# Altium PCB Stabilizer_Pounder.PcbDoc (part 3 of 7)
Units mm, origin at the board's own origin, x right, y up, seen from the top; angles counter-clockwise.
Board outline 113.55 x 100 mm, 4 copper layers (Top, P2, L3, Bottom Layer), stack 1.579 mm thick; 591 components, 344 nets, 1737 pads, 984 vias.
Unrouted connection lines stored in the file: 2.
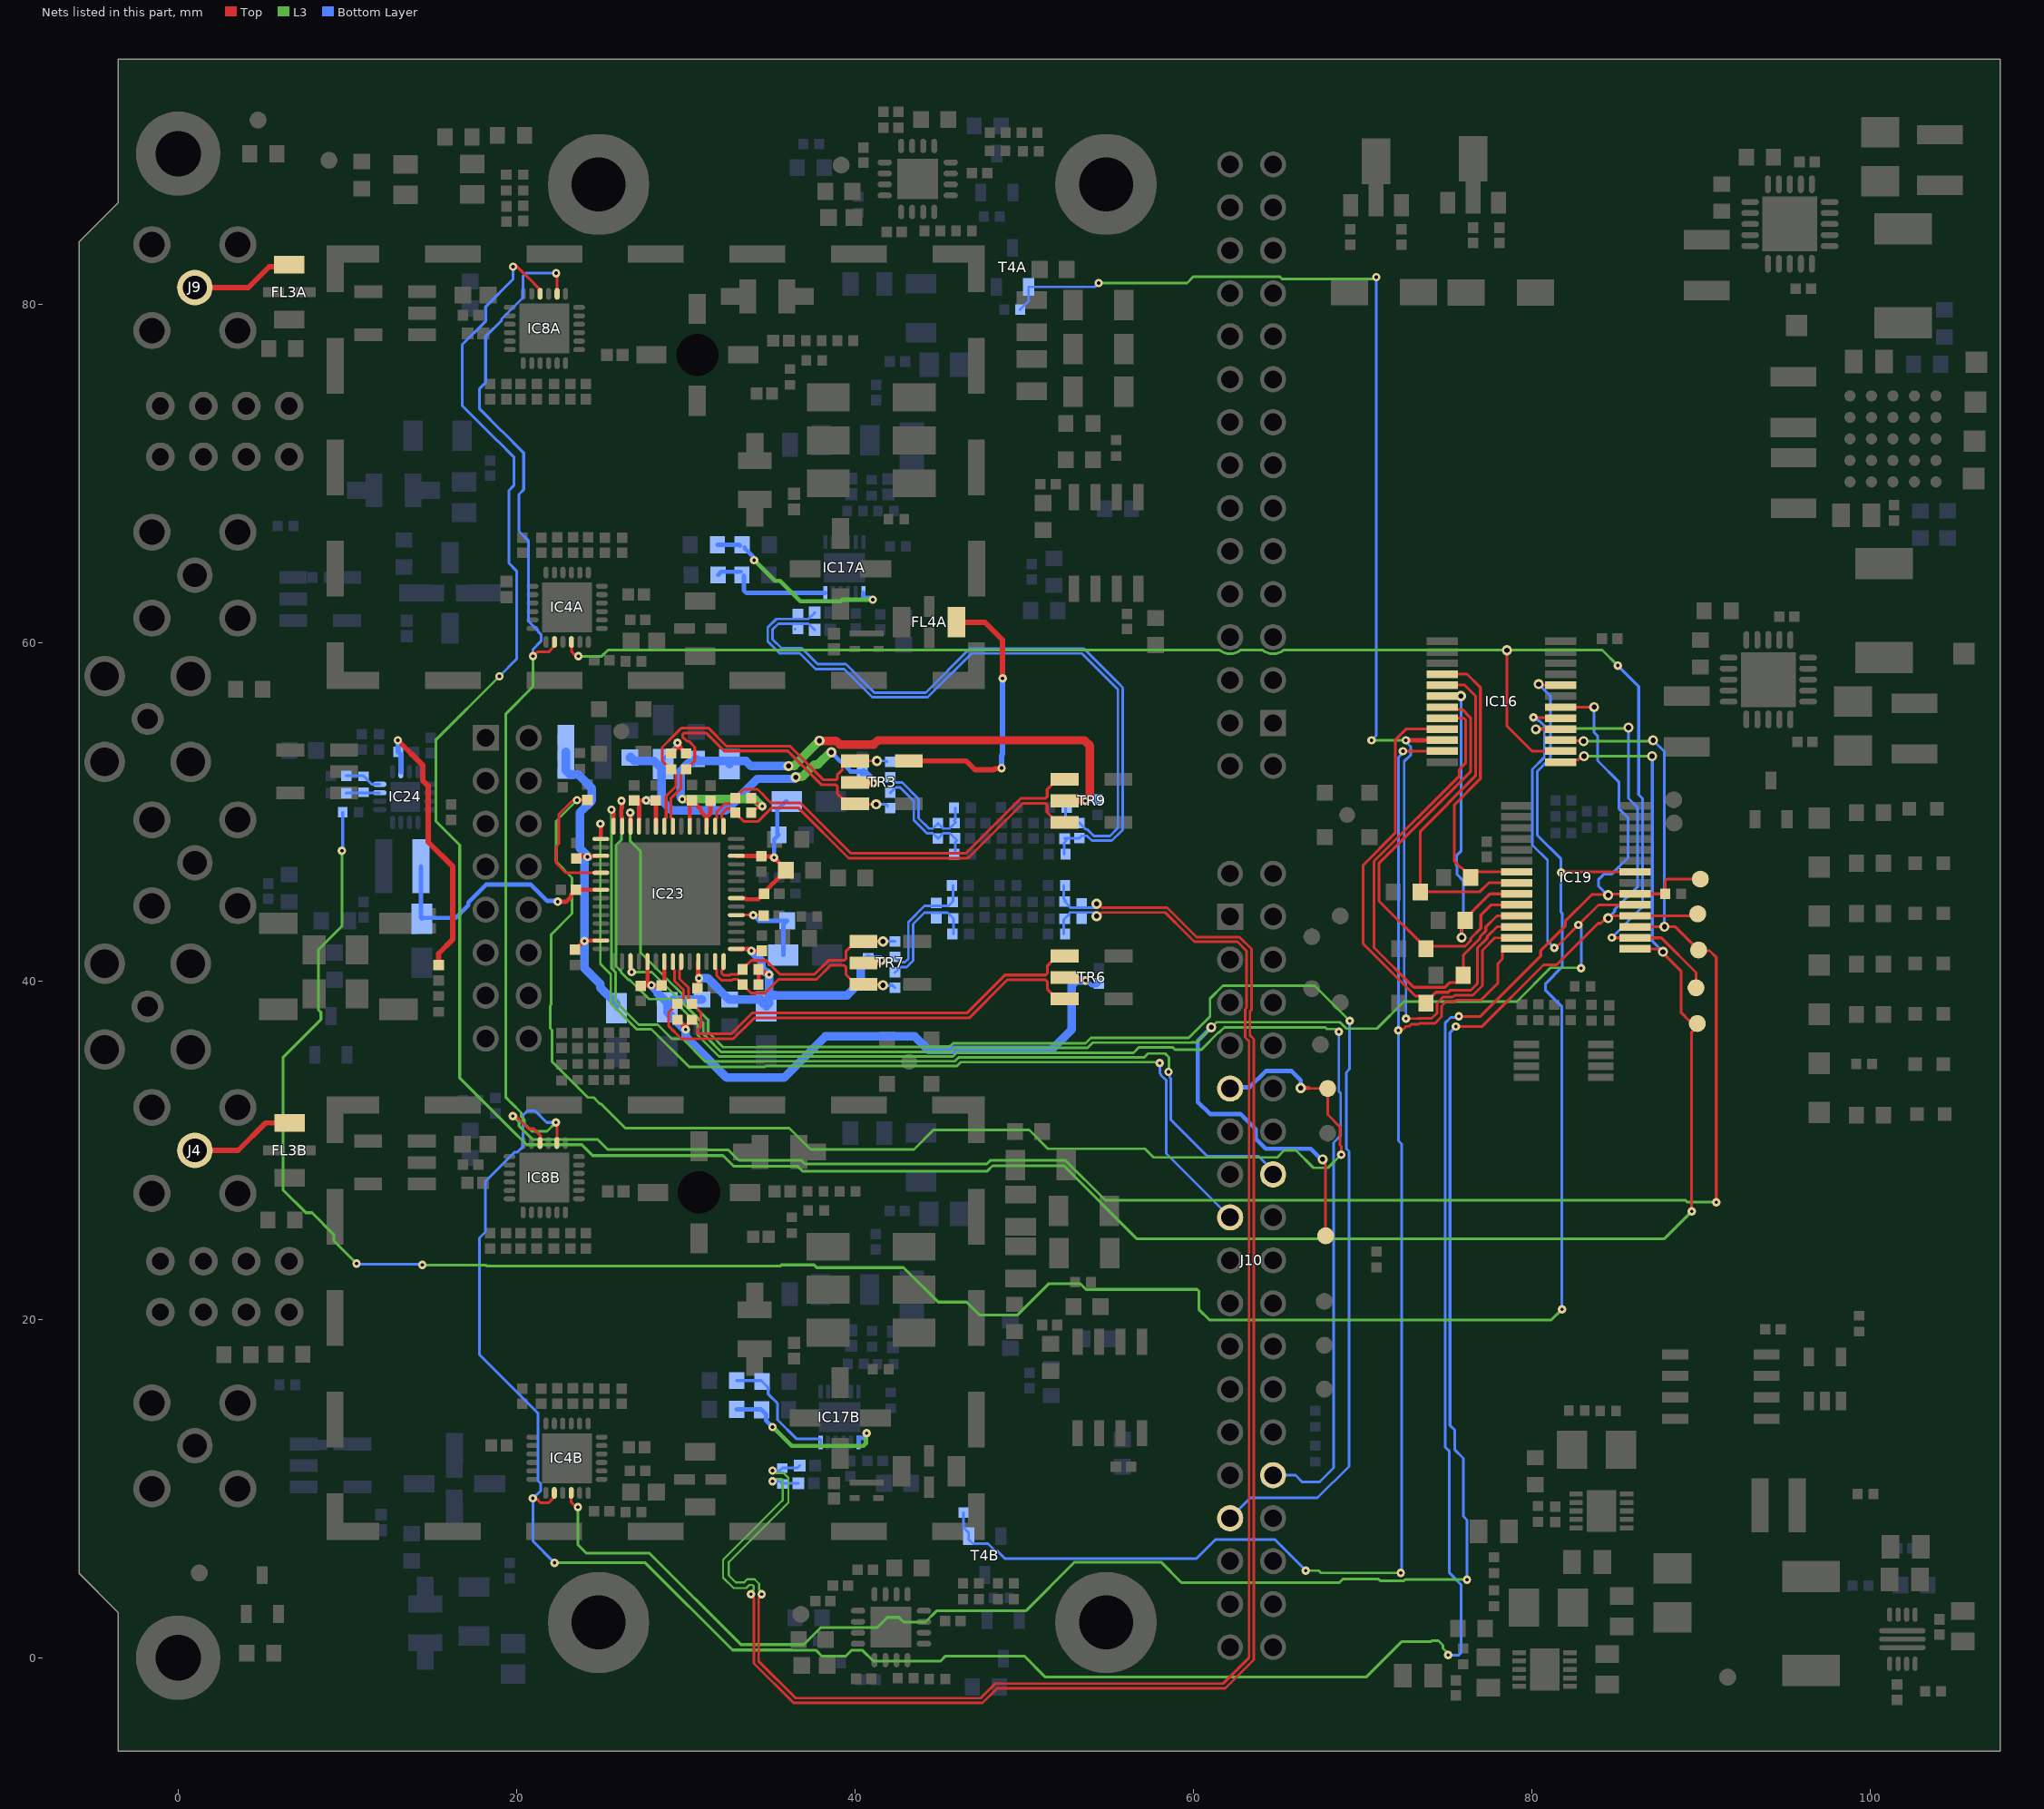
[diagram p5: the nets of this part, all layers, seen from the top]

## Via types
v1: diameter 0.5, hole 0.2, Top to Bottom Layer, tented both sides, 847 vias
v2: diameter 0.6, hole 0.3, Top to Bottom Layer, tented both sides, 113 vias
v3: diameter 1, hole 0.5, Top to Bottom Layer, tented both sides, 24 vias

## Nets (pads, with @x,y where several pads share a name; then routed paths per layer and width w, separated by ;. In a path a pad name is that pad's centre, name@x,y a point inside that pad or via, vN(x,y) a via of type N, cw(c..) or ccw(c..) an arc to the next point about the centre after c; other vN are vias at no path point) (continued)
ATT_LE1: B8.1 IC4A.22 IC16.14 IC19.2 | length 95.8
  Top w0.166: IC4A.22@23.239,60.038 23.239,59.483 23.459,59.263 23.585,59.263 v1(23.649,59.199) ; v2(78.537,59.552) 78.537,55.071 80.019,53.589 IC16.14@81.84,53.589 ; v1(84.734,42.57) 84.752,42.553 IC19.2@86.117,42.553 87.657,42.553 89.713,40.497 B8.1@89.713,39.598
  L3 w0.166: v1(23.649,59.199) 23.65,59.198 25.038,59.198 25.408,59.568 61.548,59.568 ccw(c62.174,60.328) 62.8,59.568 64.088,59.568 ccw(c64.714,60.328) 65.34,59.568 84.17,59.568 v1(85.09,58.648)
  Bottom Layer w0.166: v1(84.734,42.57) 86.554,44.39 86.554,50.787 86.325,51.016 86.325,57.413 v1(85.09,58.648)
ATT_LE3: B5.1 IC4B.22 IC16.16 IC19.4 | length 130.9
  Top w0.166: IC4B.22@23.229,9.743 23.229,9.188 23.45,8.967 23.56,8.967 v1(23.624,8.903) ; v1(75.522,37.308) 75.535,37.322 77.075,37.322 80.711,40.958 81.467,40.958 83.921,43.411 84.084,43.411 v2@84.454,43.78 ; v2(80.245,54.878) 80.251,54.884 81.834,54.884 IC16.16@81.84,54.889 ; v2(84.518,43.716) v2@84.454,43.78 ; B5.1@89.814,43.967 89.7,43.853 IC19.4@86.117,43.853 84.518,43.853 84.518,43.845 v2@84.454,43.78
  L3 w0.166: v1(23.624,8.903) 23.624,6.678 24.13,6.172 27.864,6.172 33.255,0.781 36.976,0.781 37.977,1.782 41.305,1.782 41.91,2.387 42.593,2.387 42.875,2.106 44.165,2.106 44.826,2.766 50.093,2.766 52.981,5.654 58.091,5.654 59.302,4.444 68.628,4.444 68.842,4.658 70.94,4.658 71.044,4.554 72.453,4.554 72.519,4.62 v1(76.18,4.62) ; v2(80.245,54.878) 80.296,54.929 85.668,54.929 v2(85.719,54.979)
  Bottom Layer w0.166: 75.459,12.689 75.459,12.287 75.959,11.787 75.959,8.359 76.18,8.138 v1(76.18,4.62) ; 75.459,12.689 75.459,13.447 75.171,13.735 75.171,36.955 v1(75.522,37.308) v1(75.522,37.308) ; v2(84.518,43.716) 84.518,43.724 84.902,44.107 84.902,44.225 86.262,45.584 86.262,50.252 85.719,50.795 v2(85.719,54.979)
ATT_LEA: B10.1 IC8A.22 IC16.13 IC19.1 | length 168.5
  Top w0.166: v1@19.788,82.224 v1(19.794,82.218) ; v1@19.916,82.34 20.693,81.563 20.698,81.563 21.279,80.982 21.279,80.974 21.393,80.859 IC8A.22@21.393,80.622 ; IC16.13@81.84,52.939 81.982,53.081 82.766,53.081 82.973,53.289 v2(83.091,53.289) ; IC19.1@86.117,41.903 87.501,41.903 ; v2@87.714,41.689 88.837,40.566 88.837,38.125 89.313,37.65 89.629,37.65 B10.1@89.789,37.49 89.789,37.306 89.459,36.976 v1(89.459,26.39)
  L3 w0.166: v1(18.982,58.013) 15.24,54.271 15.24,49.431 16.64,48.031 16.64,34.259 20.04,30.859 20.059,30.859 20.591,30.327 23.851,30.327 24.493,29.685 32.206,29.685 32.849,29.042 36.618,29.042 36.896,28.764 47.815,28.764 48.133,29.082 52.346,29.082 56.676,24.752 87.821,24.752 v1(89.459,26.39) ; v2(83.091,53.289) v2(87.114,53.29)
  Bottom Layer w0.166: v1(18.982,58.013) 19.998,59.03 19.998,64.238 19.554,64.683 19.554,69.006 19.836,69.288 19.836,70.979 18.886,71.93 18.865,71.93 16.789,74.005 16.789,77.619 18.168,78.998 18.168,79.85 19.794,81.476 v1(19.794,82.218) ; v2(87.114,53.29) 87.126,53.278 87.126,42.363 v2(87.757,41.732)
ATT_LEB: B6.1 IC8B.22 IC16.15 IC19.3 | length 112.7
  Top w0.166: v1@19.778,32.026 v1(19.784,32.019) ; v1@19.977,32.07 19.977,31.988 20.7,31.265 21.008,31.265 21.412,30.861 21.412,30.689 21.383,30.66 IC8B.22@21.383,30.424 ; IC16.15@81.84,54.239 81.87,54.209 83.037,54.209 v2(83.068,54.178) ; IC19.3@86.117,43.203 88.496,43.203 B6.1@89.865,41.834 89.907,41.792 90.517,41.792 90.91,41.398 90.91,26.927 v1(90.907,26.924)
  L3 w0.166: v1(19.784,32.019) 20.152,31.651 20.152,31.417 20.924,30.645 24.777,30.645 25.377,30.045 31.262,30.045 31.288,30.02 32.515,30.02 33.134,29.4 36.837,29.4 37.047,29.19 47.791,29.19 48.001,29.4 52.441,29.4 54.803,27.038 89.09,27.038 89.205,26.924 v1(90.907,26.924) ; v2(83.068,54.178) 86.277,54.178 86.284,54.17 87.114,54.17 v2(87.173,54.229)
  Bottom Layer w0.166: v2(87.173,54.229) 87.845,53.557 v2(87.845,43.209)
ATT_RSTn: B7.1 IC4A.20 IC4B.20 IC8A.20 IC8B.20 IC16.18 IC19.6 R40.2 | length 227.2
  Top w0.166: v1(20.959,9.431) 21.147,9.431 21.421,9.158 21.889,9.158 22.162,9.431 22.162,9.439 22.229,9.507 IC4B.20@22.229,9.743 ; v1(20.969,59.199) 21.223,59.453 21.899,59.453 22.124,59.678 22.124,59.687 22.239,59.802 IC4A.20@22.239,60.038 ; v1(22.324,31.642) 22.383,31.582 IC8B.20@22.383,30.424 ; v1(22.334,81.84) 22.393,81.781 IC8A.20@22.393,80.622 ; v1(75.694,37.911) 76.967,37.911 80.531,41.475 80.531,41.797 81.985,43.251 81.985,43.54 83.559,45.114 84.484,45.114 v2(84.521,45.078) ; IC16.18@81.84,56.189 v2(83.687,56.189) ; v2@84.518,45.13 86.094,45.13 IC19.6@86.117,45.153 R40.2@87.897,45.153 87.897,45.928 87.994,46.025 B7.1@89.967,46.025
  L3 w0.166: 19.66,32.817 19.367,33.109 19.367,55.803 20.969,57.406 v1(20.969,59.199) ; 19.666,32.823 20.269,32.22 20.269,31.984 20.47,31.783 20.47,31.549 20.904,31.115 21.797,31.115 v1(22.324,31.642) ; v1(22.25,5.613) 27.61,5.613 32.763,0.46 36.269,0.46 36.294,0.434 37.709,0.434 38.044,0.099 39.458,0.099 39.794,0.434 40.455,0.434 41.082,-0.193 42.765,-0.193 42.778,-0.206 45.047,-0.206 45.355,0.102 50.01,0.102 51.259,-1.147 70.214,-1.147 72.309,0.948 74.026,0.948 74.087,1.009 74.484,1.009 74.753,0.74 74.753,0.593 ; 74.754,0.592 74.754,0.553 75.057,0.249 v1(75.057,0.159)
  Bottom Layer w0.166: 20.371,32.055 20.651,32.334 21.085,32.334 21.777,31.642 v1(22.324,31.642) ; 20.371,32.023 20.371,30.2 20.059,29.889 19.898,29.889 18.158,28.149 18.158,25.169 17.804,24.815 17.804,17.917 21.266,14.455 21.266,10.455 21.433,10.288 21.433,9.886 20.978,9.431 v1(20.959,9.431) 20.959,6.904 v1(22.25,5.613) ; v1(20.969,59.199) 20.969,59.611 21.443,60.085 21.443,60.487 21.276,60.654 21.276,60.698 20.693,61.281 20.693,66.033 20.139,66.587 20.139,68.763 20.421,69.046 20.421,71.221 19.128,72.515 19.107,72.515 17.814,73.808 17.814,75.014 18.168,75.368 18.168,78.098 19.119,79.049 19.119,79.137 20.381,80.399 20.381,81.675 20.546,81.84 v1(22.334,81.84) ; v1(75.057,0.159) 75.691,0.159 75.821,0.288 75.821,4.329 75.136,5.014 75.136,12.196 74.878,12.454 74.878,37.515 75.211,37.847 75.63,37.847 v1(75.694,37.911) ; v2(83.687,56.189) 83.687,54.693 83.893,54.487 83.893,53.021 85.147,51.767 85.147,50.199 85.69,49.656 85.69,47.289 84.713,46.313 84.258,46.313 83.96,46.014 83.96,45.592 84.474,45.078 v2(84.521,45.078)
AVDD0: C22.1 C45.2 C46.2 C59.2 IC23.31 IC23.33 L1.1 R24.2 R25.2 TR9.2 | length 44.3
  Top w0.166: R25.2@33.869,49.958 33.869,49.978 34.077,50.185 34.183,50.185 34.258,50.26 34.365,50.26 v1@34.429,50.324 ; R24.2@33.869,50.814 33.869,50.794 34.077,50.587 34.097,50.587 34.19,50.494 34.259,50.494 v1@34.429,50.324 ; v1@34.474,50.369 v1@34.429,50.324 ; v1(34.519,50.324) v1@34.429,50.324
  Top w0.254: v1(29.794,50.749) 29.83,50.713 30.324,50.713 C46.2@30.359,50.678 ; IC23.33@30.234,49.148 30.234,50.553 C46.2@30.359,50.678 ; 31.147,49.76 30.901,50.005 30.901,50.136 C46.2@30.359,50.678 ; IC23.31@31.234,49.148 31.234,49.673 31.459,49.898 C45.2@31.459,50.648
  Top w0.508: v2(37.897,54.203) 37.902,54.199 38.326,54.199 38.89,54.199 39.106,53.983 41.113,53.983 41.359,54.229 53.561,54.229 53.889,53.901 53.889,50.918 v1(53.619,50.648) ; TR9.2@52.394,50.648 52.444,50.698 v1@53.569,50.698
  L3 w0.508: v1(29.794,50.749) 34.094,50.749 v1(34.519,50.324) ; v2@36.093,52.73 36.101,52.722 36.416,52.722 v2(37.897,54.203)
  Bottom Layer w0.254: v1(53.619,50.648) 53.659,50.688 54.31,50.688 C59.2@54.349,50.727
  Bottom Layer w0.508: v1(29.794,50.749) 29.708,50.836 29.708,52.42 30.195,52.907 30.398,52.907 L1.1@30.619,53.128 30.743,53.004 C22.1@32.584,53.004 ; C22.1@32.584,52.828 C22.1@32.584,53.004 ; v2(36.068,52.705) 33.856,52.705 33.556,53.004 C22.1@32.584,53.004
AVDD1: C24.1 C47.2 C61.2 C112.2 IC23.37 IC23.39 L25.1 R26.2 R28.2 TR3.2 | length 28.8
  Top w0.254: C47.2@26.95,50.666 27.067,50.549 27.243,50.549 27.243,49.528 27.234,49.519 IC23.39@27.234,49.148 ; C47.2@27.243,50.672 v1(27.661,50.673) ; v1(27.661,50.673) v1(27.661,50.673) ; v1@27.678,50.672 v1(27.661,50.673) ; IC23.37@28.234,49.148 IC23.37@28.234,49.148 28.232,50.664 C112.2@28.231,50.666 28.227,50.669 27.664,50.669 v1(27.661,50.673) ; R26.2@29.13,53.455 29.15,53.455 29.465,53.769 29.465,54.036 v1(29.512,54.083) 29.512,54.016 29.694,53.834 29.694,53.75 29.99,53.455 R28.2@30.01,53.455
  Top w0.508: TR3.2@40.004,51.741 40.056,51.689 v1(41.079,51.689)
  L3 w0.508: v2(36.5,52.044) 36.517,52.062 36.862,52.062 37.603,52.802 37.817,52.802 v2@38.557,53.543
  Bottom Layer w0.254: C24.1@28.304,52.828 C24.1@28.669,52.828 28.669,53.103 29.465,53.899 29.465,54.036 v1(29.512,54.083) ; v2(38.608,53.518) 39.744,52.382 C61.2@40.437,52.382 ; C61.2@40.437,52.356 C61.2@40.457,52.337
  Bottom Layer w0.508: L25.1@26.694,53.208 26.734,53.248 26.966,53.016 28.116,53.016 28.304,52.828 28.577,52.555 28.577,50.678 ; v1(27.661,50.673) 28.572,50.673 28.577,50.678 ; v2(36.5,52.044) 36.405,51.95 34.229,51.95 32.357,50.077 29.177,50.077 28.577,50.678 ; C61.2@40.513,52.324 41.079,51.758 v1(41.079,51.689)
AVDD2: C50.2 C51.2 C55.1 C80.2 IC23.5 IC23.7 L26.1 R31.2 R32.2 TR6.2 | length 43.1
  Top w0.254: C50.2@27.33,39.718 27.347,39.734 v1@27.734,39.734 ; v1@27.734,39.704 27.919,39.704 v1(27.965,39.751) ; v1@27.734,39.808 IC23.5@27.734,41.148 ; v1@27.844,39.75 28.018,39.75 v1@28.074,39.694 ; v1@28.072,39.696 28.079,39.704 28.173,39.704 28.183,39.694 28.526,39.694 28.732,39.901 28.732,41.146 IC23.7@28.734,41.148 ; R31.2@29.515,37.706 29.535,37.706 29.814,37.426 29.814,37.39 29.995,37.21 v1(29.995,37.143) 30.042,37.19 30.042,37.389 30.358,37.706 R32.2@30.378,37.706 ; TR6.2@52.4,40.208 52.526,40.082 53.578,40.082 v1(53.625,40.035)
  Bottom Layer w0.254: v1(53.625,40.035) 53.692,40.035 53.994,39.733 54.28,39.733 C80.2@54.407,39.86
  Bottom Layer w0.508: v1(27.965,39.751) 28.298,39.419 28.298,39.33 C55.1@28.909,38.718 ; C55.1@28.909,38.474 28.909,38.168 29.934,37.143 v1(29.995,37.143) 29.995,36.723 32.427,34.29 35.813,34.29 38.251,36.728 43.536,36.728 44.345,35.919 51.6,35.919 52.807,37.126 52.807,39.738 53.104,40.035 v1(53.625,40.035) ; C55.1@28.909,38.537 29.28,38.908 L26.1@30.959,38.908
AVDD3: C52.2 C53.2 C68.1 C81.2 IC23.11 IC23.15 L27.1 R10.2 R35.2 TR7.2 | length 22.2
  Top w0.254: v1@30.734,40.124 IC23.11@30.734,41.148 ; C53.2@30.738,39.62 30.738,40.124 v1(30.785,40.171) ; IC23.15@32.984,41.898 33.756,41.898 v1@33.905,41.749 ; v1(33.884,41.783) 33.887,41.786 34.49,41.786 C52.2@34.493,41.79 ; R35.2@34.303,40.691 R35.2@34.303,40.671 ; R10.2@34.366,39.929 34.359,39.929 34.303,39.985 R35.2@34.303,40.671 ; v1(34.925,40.386) 34.858,40.386 34.737,40.508 34.466,40.508 R35.2@34.303,40.671
  Top w0.508: TR7.2@40.498,41.072 40.624,41.198 41.56,41.198 v1(41.573,41.21)
  Bottom Layer w0.508: v1(30.785,40.171) 31.296,40.171 L27.1@32.559,38.908 ; L27.1@32.584,38.908 L27.1@32.559,38.908 ; v1(33.884,41.783) 34.483,41.183 34.483,40.745 34.706,40.522 34.789,40.522 v1(34.925,40.386) 34.925,38.684 C68.1@34.754,38.513 ; C68.1@34.616,38.65 34.457,38.81 34.457,38.908 L27.1@32.559,38.908 ; C68.1@35.125,39.159 39.54,39.159 40.342,39.961 40.342,40.89 C81.2@40.785,41.333 40.841,41.277 41.506,41.277 v1(41.573,41.21)
BG_VDD: C54.2 C106.1 IC23.19 L28.1 | length 5.9
  Top w0.166: IC23.19@32.984,43.898 v1(33.984,43.898) 34.404,43.898 34.478,43.824 34.519,43.866 C54.2@34.602,43.866
  Bottom Layer w0.254: v1(33.984,43.898) 34.324,43.558 L28.1@35.999,43.558 35.764,43.323 C106.1@35.764,41.528
CH0_OUT_N: IC23.29 R25.1 TR9.1 | length 25.2
  Top w0.166: IC23.29@32.234,49.148 32.234,49.546 32.13,49.65 32.13,49.893 32.43,50.192 32.625,50.192 32.632,50.185 32.722,50.185 32.929,49.978 R25.1@32.929,49.958 32.929,49.938 33.429,49.438 34.283,49.438 34.979,50.134 34.979,50.143 35.076,50.24 36.65,50.24 39.633,47.256 46.68,47.256 49.925,50.502 51.262,50.502 51.359,50.405 51.359,49.968 51.949,49.378 TR9.1@52.394,49.378
CH0_OUT_P: IC23.30 R24.1 TR9.3 | length 25.7
  Top w0.166: IC23.30@31.734,49.148 31.734,49.546 31.838,49.65 31.838,50.014 32.309,50.485 32.625,50.485 32.722,50.582 32.722,50.607 R24.1@32.929,50.814 32.929,50.834 33.429,51.334 34.246,51.334 34.641,50.94 34.641,50.927 35.035,50.532 36.771,50.532 39.754,47.549 46.558,47.549 49.804,50.794 51.262,50.794 51.359,50.891 51.359,51.328 51.949,51.918 TR9.3@52.394,51.918
CH1_OUT_N: C142.1 IC23.35 R28.1 TR3.1 | length 20.7
  Top w0.152: TR3.1@40.004,50.471 40.03,50.444 v2(41.25,50.444)
  Top w0.166: IC23.35@29.234,49.148 29.234,49.546 29.13,49.65 29.13,50.815 29.716,51.401 29.716,52.241 29.99,52.515 30.03,52.515 30.53,53.014 30.53,53.832 30.18,54.181 30.064,54.181 29.811,54.434 29.811,54.571 29.908,54.668 31.203,54.668 32.274,53.597 36.025,53.597 38.028,51.594 38.872,51.594 38.969,51.497 38.969,51.06 39.559,50.471 TR3.1@40.004,50.471
  Bottom Layer w0.152: v2(41.25,50.444) 41.854,50.444 41.91,50.388 C142.1@41.91,50.317
CH1_OUT_P: C141.1 IC23.36 R26.1 TR3.3 | length 21.1
  Top w0.152: TR3.3@40.004,53.011 40.005,53.01 v2(41.3,53.01)
  Top w0.166: IC23.36@28.734,49.148 28.734,49.546 28.838,49.65 28.838,50.936 29.424,51.522 29.424,52.241 29.15,52.515 29.11,52.515 28.61,53.014 28.61,53.832 29.322,54.543 29.325,54.543 29.743,54.961 31.324,54.961 32.396,53.889 36.146,53.889 38.149,51.887 38.872,51.887 38.969,51.984 38.969,52.207 39.262,52.5 39.262,52.713 39.559,53.011 TR3.3@40.004,53.011
  Bottom Layer w0.152: v2(41.3,53.01) 41.854,53.01 41.885,52.979 C141.1@41.885,52.933
CH1_OUTC_N: C127A.1 C135A.1 C142.2 L19A.1 | length 7.1
  Bottom Layer w0.152: C142.2@42.088,51.123 42.322,51.357 42.322,51.358 42.411,51.447 42.67,51.447 43.481,50.637 43.481,49.509 44.253,48.737 44.597,48.737 C127A.1@44.907,48.427 45.217,48.737 45.606,48.737 46.031,48.312 45.93,48.211 L19A.1@45.93,47.549
CH1_OUTC_P: C120A.1 C127A.2 C141.2 L16A.1 | length 7.1
  Bottom Layer w0.152: C141.2@42.088,52.052 42.322,51.818 42.322,51.816 42.411,51.727 42.786,51.727 43.76,50.753 43.76,49.625 44.369,49.016 44.597,49.016 C127A.2@44.907,49.327 45.217,49.016 45.587,49.016 C120A.1@45.898,49.327 45.955,49.384 45.853,49.487 45.857,49.487 45.93,49.56 L16A.1@45.93,50.241
CH2_OUT_N: IC23.9 R32.1 TR6.3 | length 28.8
  Top w0.166: IC23.9@29.734,41.148 29.734,40.75 29.63,40.646 29.63,40.131 30.163,39.598 30.163,38.853 30.37,38.646 30.398,38.646 30.898,38.146 30.898,37.329 30.678,37.109 30.678,36.972 30.775,36.875 32.687,36.875 33.919,38.107 46.622,38.107 48.869,40.354 51.268,40.354 51.365,40.451 51.365,40.888 51.955,41.478 TR6.3@52.4,41.478
CH2_OUT_P: IC23.8 R31.1 TR6.1 | length 30.3
  Top w0.166: IC23.8@29.234,41.148 29.234,40.75 29.338,40.646 29.338,40.009 29.87,39.477 29.87,39.035 29.859,39.023 29.859,38.97 29.535,38.646 29.495,38.646 28.995,38.146 28.995,37.329 29.742,36.583 32.808,36.583 34.04,37.814 46.743,37.814 48.99,40.062 51.268,40.062 51.365,39.965 51.365,39.528 51.955,38.938 TR6.1@52.4,38.938
CH3_OUT_N: C144.1 IC23.14 R35.1 TR7.3 | length 12.8
  Top w0.152: TR7.3@40.498,42.342 40.505,42.349 v2@41.707,42.349
  Top w0.166: IC23.14@32.234,41.148 32.234,40.75 32.13,40.646 32.13,40.438 32.227,40.341 32.592,40.341 32.643,40.392 33.085,40.392 33.363,40.671 R35.1@33.363,40.691 33.363,40.711 33.863,41.21 34.751,41.21 35.569,40.392 37.606,40.392 38.432,41.218 39.366,41.218 39.463,41.315 39.463,41.752 40.053,42.342 TR7.3@40.498,42.342
  Bottom Layer w0.152: v2@41.732,42.349 42.353,42.349 C144.1@42.367,42.334
  other v2: 41.656,42.342
CH3_OUT_P: C143.1 IC23.13 R10.1 TR7.1 | length 13.6
  Top w0.152: TR7.1@40.498,39.802 v2@41.396,39.802 ; v2@41.396,39.804 41.653,39.804 v2@41.707,39.751
  Top w0.166: IC23.13@31.734,41.148 31.734,40.75 31.838,40.646 31.838,40.317 32.106,40.049 32.713,40.049 32.764,40.1 33.085,40.1 33.363,39.822 R10.1@33.363,39.802 33.363,39.782 33.863,39.282 34.68,39.282 35.081,39.683 35.081,39.699 35.482,40.1 37.728,40.1 38.553,40.925 39.366,40.925 39.463,40.828 39.463,40.391 40.053,39.802 TR7.1@40.498,39.802
  Bottom Layer w0.152: v2@41.732,39.845 v2@41.758,39.82 ; v2@41.769,39.725 C143.1@42.164,39.725 ; C143.1@42.153,39.82 C143.1@42.367,39.606 C143.1@42.206,39.767
  other v2: 41.656,39.751
CH3_OUTC_N: C127B.1 C135B.1 C144.2 L19B.1 | length 7.3
  Bottom Layer w0.152: C144.2@42.367,41.434 42.601,41.201 42.601,41.199 42.69,41.11 42.95,41.11 43.155,41.314 43.155,43.485 44.115,44.445 44.806,44.445 45.537,44.445 45.803,44.711 L19B.1@45.803,45.644
CH3_OUTC_P: C120B.1 C127B.2 C143.2 L16B.1 | length 7.3
  Bottom Layer w0.152: C143.2@42.367,40.506 42.601,40.739 42.601,40.741 42.69,40.83 43.066,40.83 43.319,41.083 43.434,41.199 43.434,43.369 44.114,44.049 45.48,44.049 45.57,43.96 45.57,43.947 C120B.1@45.803,43.713 45.828,43.688 L16B.1@45.828,42.773
CK_OSC: C103.1 IC24.6 R162.1 | length 16.8
  Top w0.316: v1(12.979,54.229) 14.445,52.763 14.445,51.858 14.771,51.532 14.771,48.221 16.231,46.761 16.231,42.469 15.394,41.632 C103.1@15.394,40.938
  Bottom Layer w0.316: v1(12.979,54.229) 12.992,54.216 12.992,53.683 R162.1@13.005,53.67 ; R162.1@13.004,53.548 13.004,53.528 13.164,53.368 IC24.6@13.164,52.378
CLK_SMA_N: C194.2 IC24.4 R15.1 | length 2.2
  Bottom Layer w0.166: C194.2@9.934,52.128 10.934,52.128 R15.1@10.964,52.098 10.984,52.098 11.191,51.891 11.191,51.871 11.433,51.629 IC24.4@11.914,51.628 IC24.4@11.914,51.628
CLK_SMA_P: C105.2 IC24.3 R15.2 | length 2
  Bottom Layer w0.166: C105.2@9.934,51.098 9.964,51.128 IC24.3@11.914,51.128
CLK_VDD: C6.2 C9.2 C10.2 C108.1 IC23.21 IC23.26 L29.1 | length 10.2
  Top w0.254: IC23.26@32.984,47.398 32.986,47.396 34.451,47.396 C10.2@34.479,47.368 v1@35.152,47.368 ; IC23.21@33.357,44.896 33.478,44.896 33.545,44.829 34.295,44.829 34.81,45.344 34.81,45.423 35.203,45.816 35.215,45.816 35.804,46.406 C6.2@35.89,46.406 ; v1(35.222,47.298) C6.2@35.972,46.548
  Bottom Layer w0.254: v1(35.222,47.298) 35.222,48.377 L29.1@35.493,48.648 35.404,48.737 35.404,50.11 35.902,50.608 C108.1@35.962,50.608
CSn: B20.1 C13.2 IC23.47 J10.9 | length 86.7
  Top w0.152: v1@23.353,50.708 22.506,49.861 22.506,48.109 22.332,47.935 22.332,46.973 22.9,46.405 24.977,46.405 IC23.47@24.984,46.398 ; v1(23.567,50.694) 23.581,50.708 C13.2@24.189,50.708 ; 66.733,33.648 B20.1@67.944,33.648 67.944,32.102 68.673,31.373 68.673,30.298 68.744,30.227 v1(68.744,29.743)
  Top w0.254: v2(66.345,33.68) 66.827,33.68
  L3 w0.152: v1(23.567,50.694) 22.332,49.459 22.332,47.06 23.28,46.113 23.28,43.981 22.04,42.741 22.04,38.589 21.981,38.529 21.981,37.207 22.091,37.096 22.091,35.237 24.21,33.117 24.557,33.117 24.837,32.837 24.837,32.83 24.926,32.74 24.994,32.74 26.428,31.306 36.124,31.306 37.382,30.048 43.485,30.048 44.628,31.191 50.297,31.191 51.403,30.085 57.148,30.085 57.656,29.577 64.961,29.577 65.377,29.992 66.06,29.992 67.096,28.957 67.958,28.957 v1(68.744,29.743)
  Bottom Layer w0.254: J10.9@62.174,33.648 62.245,33.719 63.33,33.719 64.288,34.677 65.805,34.677 66.345,34.137 v2(66.345,33.68)
DDS_FILT_OUTA_N: C130A.1 C133A.1 C137A.2 L30A.2 R92A.1 | length 40.7
  Bottom Layer w0.152: R92A.1@36.454,60.795 R92A.1@36.474,60.795 ; C133A.1@37.615,60.757 37.615,60.762 37.251,61.125 35.471,61.125 35.128,60.782 35.128,60.198 35.662,59.664 36.855,59.664 37.795,58.725 39.472,58.725 41.148,57.048 44.182,57.048 46.773,59.639 53.532,59.639 55.62,57.551 55.826,57.345 55.826,48.93 55.191,48.295 54.006,48.295 53.713,48.588 53.407,48.588 C130A.1@53.264,48.445 52.426,48.445 C137A.2@52.393,48.412 52.502,48.303 52.493,48.303 52.368,48.178 L30A.2@52.368,47.498
DDS_FILT_OUTA_P: C124A.2 C125A.1 C130A.2 L18A.2 R92A.2 | length 40.8
  Bottom Layer w0.152: C125A.1@37.615,61.773 37.615,61.768 37.251,61.404 35.355,61.404 34.849,60.898 34.849,60.082 35.546,59.385 36.74,59.385 37.679,58.445 39.356,58.445 41.032,56.769 44.298,56.769 46.888,59.36 53.416,59.36 55.547,57.229 55.547,49.046 55.075,48.574 54.122,48.574 53.738,48.958 53.651,48.958 C130A.2@53.264,49.345 C124A.2@52.411,49.345 ; C124A.2@52.393,49.327 C124A.2@52.411,49.345 ; L18A.2@52.444,50.266 52.444,49.378 C124A.2@52.411,49.345
DDS_FILT_OUTB_N: C130B.1 C133B.1 C137B.2 L30B.2 R92B.1 | length 103.7
  Top w0.152: v1(33.857,3.759) 33.857,3.671 34.03,3.497 34.03,-0.325 36.373,-2.667 47.549,-2.667 48.412,-1.804 61.884,-1.804 63.576,-0.111 63.576,36.564 63.35,36.791 63.35,38.21 63.432,38.292 63.432,41.891 62.727,42.596 60.187,42.596 58.447,44.335 54.593,44.335 54.369,44.559 v2(54.28,44.559)
  L3 w0.127: v1(33.857,3.759) 33.857,3.86 34.005,4.008 34.005,4.234 33.931,4.308 33.764,4.308 33.571,4.115 32.832,4.115 32.207,4.74 32.207,5.791 35.654,9.238 35.659,9.238 35.733,9.312 35.733,10.505 35.659,10.579 35.374,10.579 35.226,10.43 v1(35.125,10.43)
  Bottom Layer w0.152: v1(35.125,10.43) 35.556,10.43 R92B.1@35.712,10.274 35.751,10.313 C133B.1@36.652,10.313 ; L30B.2@52.343,45.644 52.343,44.87 52.451,44.762 C137B.2@52.393,44.704 52.627,44.47 52.627,44.425 52.716,44.335 53.391,44.335 54.28,44.335 v2(54.28,44.559)
DDS_FILT_OUTB_P: C124B.2 C125B.1 C130B.2 L18B.2 R92B.2 | length 102.9
  Top w0.152: v1(34.484,3.759) 34.484,3.671 34.31,3.497 34.31,-0.209 36.489,-2.388 47.433,-2.388 48.297,-1.524 61.768,-1.524 63.297,0.004 63.297,36.449 63.071,36.675 63.071,38.326 63.152,38.408 63.152,41.775 62.611,42.316 60.071,42.316 59.829,42.558 59.639,42.748 58.331,44.056 54.593,44.056 54.369,43.832 v2(54.28,43.832)
  L3 w0.127: v1(34.484,3.759) 34.484,3.86 34.335,4.008 34.335,4.37 34.067,4.638 33.628,4.638 33.434,4.445 32.969,4.445 32.537,4.877 32.537,5.654 35.791,8.908 35.795,8.908 36.063,9.176 36.063,10.641 35.795,10.909 35.374,10.909 35.226,11.057 v1(35.125,11.057)
  Bottom Layer w0.152: v1(35.125,11.057) 35.556,11.057 R92B.2@35.712,11.214 36.586,11.214 C125B.1@36.73,11.358 ; L18B.2@52.343,42.773 52.343,43.637 52.627,43.922 52.627,43.967 52.716,44.056 54.28,44.056 v2(54.28,43.832)
DDS_OUT1: FL4A.1 TR3.4 | length 16.5
  Top w0.316: TR3.4@43.184,53.011 46.575,53.011 47.108,52.478 48.191,52.478 48.266,52.553 48.634,52.553 v1(48.669,52.588) ; FL4A.1@46.009,61.209 47.676,61.209 48.727,60.159 v1(48.727,57.895)
  Bottom Layer w0.316: v1(48.669,52.588) 48.669,53.338 48.727,53.396 v1(48.727,57.895)
DDS_P0: IC23.40 J10.29 | length 91.8
  Top w0.254: v1(26.714,49.958) 26.734,49.938 IC23.40@26.734,49.148
  L3 w0.152: v1(26.714,49.958) 26.714,48.291 27.33,47.675 27.33,41.681 31.314,37.698 31.314,36.984 31.932,36.366 31.932,36.363 32.201,36.093 34.255,36.093 34.258,36.096 45.564,36.096 45.79,36.322 53.628,36.322 53.944,36.638 59.726,36.638 60.986,37.898 60.986,38.959 61.758,39.732 67.161,39.732 69.24,37.652 v1(69.24,37.643)
  Bottom Layer w0.152: J10.29@62.174,8.248 63.375,9.449 67.335,9.449 69.197,11.311 69.197,29.931 69.041,30.087 69.041,34.603 69.24,34.802 v1(69.24,37.643)
DDS_P1: IC23.41 J10.28 | length 87.8
  Top w0.254: v1(26.194,50.648) 26.233,50.61 26.233,50.225 26.185,50.177 26.185,49.739 26.232,49.691 26.232,49.15 IC23.41@26.234,49.148
  L3 w0.152: v1(26.194,50.648) 26.194,48.343 25.883,48.031 25.883,40.875 26.187,40.57 26.187,40.496 26.491,40.191 26.609,40.074 26.683,40.074 27.828,38.929 29.199,38.929 30.699,37.429 30.699,36.809 31.373,36.135 31.373,36.131 31.97,35.534 34.486,35.534 34.49,35.538 45.796,35.538 46.021,35.763 56.464,35.763 56.78,36.079 58.786,36.079 58.913,35.951 60.478,35.951 61.483,36.957 61.523,36.957 61.828,37.262 67.802,37.262 67.899,37.164 68.419,37.164 68.581,37.002 v1(68.599,37.002)
  Bottom Layer w0.152: J10.28@64.714,10.788 66.041,10.788 66.429,10.4 67.464,10.4 68.291,11.227 68.291,30.441 68.711,30.861 68.711,33.363 68.599,33.474 v1(68.599,37.002)
DDS_P2: IC23.42 J10.14 | length 57.9
  Top w0.254: v1(25.609,50.123) 25.609,50.056 25.732,49.933 25.732,49.15 IC23.42@25.734,49.148
  L3 w0.152: v1(25.609,50.123) 25.603,50.117 25.603,40.759 25.851,40.511 25.851,38.786 27.215,37.422 28.338,37.422 29.183,36.578 29.823,36.578 31.146,35.255 34.602,35.255 34.605,35.258 45.911,35.258 46.137,35.484 57.099,35.484 57.328,35.712 58.335,35.712 58.556,35.491 58.556,34.652 v1(58.537,34.633)
  Bottom Layer w0.152: v1(58.537,34.633) 58.604,34.567 58.604,34.321 58.674,34.251 58.674,31.797 60.829,29.642 63.856,29.642 J10.14@64.668,28.829
DDS_P3: IC23.43 J10.15 | length 56.8
  Top w0.254: v1(24.959,49.298) 24.984,49.273 IC23.43@24.984,48.398
  L3 w0.152: v1(24.959,49.298) 24.951,49.29 24.951,41.016 25.572,40.395 25.572,38.67 27.099,37.143 27.977,37.143 30.203,34.917 34.659,34.917 34.721,34.979 46.027,34.979 46.252,35.204 57.967,35.204 v1(58.016,35.155)
  Bottom Layer w0.152: v1(58.016,35.155) 58.016,34.553 58.084,34.484 58.084,34.446 58.395,34.135 58.395,29.807 J10.15@62.174,26.028
DDS_Reset: B25.1 IC16.17 IC19.5 IC23.3 | length 104.2
  Top w0.152: v2(67.644,29.46) 67.644,29.339 67.819,29.164 B25.1@67.819,24.938 ; v1(80.107,55.582) 80.129,55.561 81.693,55.561 IC16.17@81.715,55.539 ; v1(81.34,41.956) 81.401,41.956 v1(82.759,43.313) 83.949,44.503 IC19.5@86.117,44.503
  L3 w0.152: v1(26.796,40.527) 27.996,40.527 31.034,37.489 31.034,36.868 31.652,36.25 31.652,36.247 32.086,35.814 34.371,35.814 34.374,35.817 45.68,35.817 45.905,36.042 53.744,36.042 54.06,36.359 59.857,36.359 59.867,36.369 60.184,36.369 61.384,37.569 68.673,37.569 69.053,37.189 70.853,37.189 72.458,38.794 79.129,38.794 81.116,40.781 82.893,40.781 v1(82.924,40.749)
  Bottom Layer w0.152: v1(80.107,55.582) 80.201,55.582 80.403,55.381 80.454,55.381 80.749,55.086 80.749,53.223 80.044,52.518 80.044,48.044 80.931,47.157 80.931,42.365 v1(81.34,41.956) ; v1(82.759,43.313) 82.924,43.147 v1(82.924,40.749)
  Bottom Layer w0.254: v2(61.062,37.262) 60.269,36.469 60.269,32.86 60.992,32.137 62.783,32.137 63.685,31.235 63.685,30.682 64.288,30.079 66.932,30.079 67.551,29.46 v2(67.644,29.46)
DET_PWRDOWN0: IC16.10 IC19.27 R94A.2 T4A.1 | length 81
  Top w0.152: v1(72.571,37.777) 73.27,37.777 73.278,37.786 74.08,37.786 74.397,38.104 74.397,38.675 74.772,39.05 75.34,39.05 75.445,39.155 76.516,39.155 77.08,39.72 77.08,41.813 77.82,42.553 IC19.27@79.117,42.553
  Top w0.254: v1(72.561,54.229) 74.704,54.229 IC16.10@74.715,54.239
  L3 w0.152: v1(54.407,81.254) 59.624,81.254 59.996,81.626 65.119,81.626 65.244,81.502 70.714,81.502 v1(70.815,81.603) ; v1(70.536,54.229) v1(72.561,54.229)
  Bottom Layer w0.152: R94A.2@49.771,79.68 49.771,79.7 50.262,80.19 T4A.1@50.262,81.026 54.178,81.026 v1(54.407,81.254) ; v1(70.536,54.229) 70.815,54.508 v1(70.815,81.603) ; v1(72.561,54.229) 72.561,54.135 72.844,53.852 72.844,53.357 72.466,52.979 72.466,40.014 72.571,39.909 v1(72.571,37.777)
DET_PWRDOWN1: IC16.11 IC19.28 R94B.2 T4B.1 | length 90.4
  Top w0.152: v1(72.118,37.084) 72.185,37.15 72.414,37.15 72.588,37.324 72.759,37.324 72.876,37.441 73.328,37.441 73.394,37.507 74.283,37.507 74.677,37.9 74.677,38.524 74.923,38.77 75.455,38.77 75.561,38.876 76.999,38.876 77.997,39.874 77.997,41.026 78.268,41.297 78.268,41.754 78.417,41.903 IC19.28@79.117,41.903 ; v1(72.39,53.589) IC16.11@74.715,53.589
  L3 w0.152: v1(66.646,5.154) 67.405,5.154 67.544,5.014 v1(72.263,5.014)
  Bottom Layer w0.152: R94B.2@46.418,8.585 46.418,7.702 46.726,7.395 T4B.1@46.726,7.195 46.726,6.995 46.975,6.746 47.854,6.746 48.277,6.323 48.415,6.323 48.872,5.866 60.187,5.866 61.309,6.988 64.817,6.988 66.439,5.366 66.439,5.36 v1(66.646,5.154) ; v1(72.118,37.084) 72.118,30.548 72.307,30.359 72.307,5.058 v1(72.263,5.014) ; v1@72.118,37.102 72.118,53.223 72.39,53.495 v1(72.39,53.589)
DVDD: C57.2 C58.2 C107.1 IC23.45 IC23.55 L7.2 | length 20.4
  Top w0.254: C57.2@23.458,41.848 23.973,42.363 v1(24.008,42.363) ; C58.2@23.534,47.252 23.68,47.398 IC23.45@24.984,47.398 ; v1@24.008,42.398 IC23.55@24.984,42.398
  Bottom Layer w0.254: C107.1@25.899,38.388 C107.1@25.899,38.663
  Bottom Layer w0.508: L7.2@22.908,53.548 22.908,52.448 23.154,52.202 23.649,52.202 24.455,51.396 24.455,50.668 23.744,49.958 23.744,47.847 v1@24.253,47.338 ; 24.008,47.093 24.008,42.398 24.008,40.763 24.944,39.827 24.944,39.617 C107.1@25.899,38.663
  other v1: 24.187,47.338
DVDD_IO: C56.2 C69.1 IC23.49 L6.2 | length 15.4
  Top w0.254: v1(22.428,44.689) 22.439,44.678 22.91,44.678 23.203,44.972 23.203,45.087 C56.2@23.514,45.398 IC23.49@24.984,45.398
  Bottom Layer w0.254: L6.2@14.351,46.788 14.351,43.727 C69.1@14.404,43.674 14.457,43.727 16.393,43.727 17.145,44.48 17.145,44.644 18.199,45.698 20.85,45.698 21.811,44.736 22.381,44.736 v1(22.428,44.689)
EXT_CLK_SEL: IC16.20 IC19.8 R165.1 | length 150.2
  Top w0.166: v2(80.41,57.547) 80.484,57.474 81.824,57.474 IC16.20@81.84,57.489 ; v1(81.734,46.406) 81.781,46.453 IC19.8@86.117,46.453
  L3 w0.166: v1(9.677,47.701) 9.677,43.235 8.28,41.838 8.28,38.303 8.435,38.148 8.435,37.729 6.187,35.481 6.187,27.66 7.544,26.303 7.911,26.303 9.194,25.02 9.194,24.653 v1(10.541,23.306) ; v1(14.427,23.215) 18.162,23.215 18.233,23.144 35.57,23.144 35.645,23.219 37.584,23.219 37.742,23.061 42.879,23.061 44.918,21.022 46.602,21.022 47.355,20.269 49.612,20.269 51.441,22.098 53.33,22.098 53.653,21.774 60.227,21.774 60.323,21.677 60.323,20.599 60.949,19.974 61.755,19.974 61.766,19.963 81.152,19.963 v1(81.788,20.599)
  Bottom Layer w0.166: v1(9.677,47.701) 9.724,47.748 R165.1@9.724,49.968 ; v1(10.541,23.306) 10.586,23.261 14.382,23.261 v1(14.427,23.215) ; v2(80.41,57.547) 81.104,56.853 81.104,53.174 80.33,52.4 80.33,48.619 81.734,47.215 v1(81.734,46.406) 81.734,44.073 81.8,44.007 81.8,40.83 80.82,39.85 80.82,39.448 81.788,38.48 v1(81.788,20.599)
FB0: FL3A.1 J9.1 | length 6.1
  Top w0.316: J9.1@0.984,80.988 4.145,80.988 5.375,82.218 6.44,82.218 FL3A.1@6.564,82.343
FB1: FL3B.1 J4.1 | length 6.3
  Top w0.316: J4.1@0.984,29.988 3.542,29.988 5.167,31.613 FL3B.1@6.579,31.613
FLTAA: IC17A.1 R13A.1 R22A.2 | length 11.3
  L3 w0.254: v1(34.036,64.871) 34.061,64.871 35.281,63.651 35.57,63.651 36.777,62.444 39.164,62.444 39.26,62.54 v1(41.05,62.54)
  Bottom Layer w0.254: R22A.2@31.864,65.786 33.147,65.786 R13A.1@33.198,65.735 ; R13A.1@33.477,65.633 33.477,65.596 33.989,65.084 33.989,64.918 v1(34.036,64.871) ; IC17A.1@40.495,62.94 40.495,62.669 40.497,62.667 40.874,62.667 41,62.54 v1(41.05,62.54)
FLTAB: IC17B.1 R13B.1 R22B.2 | length 10.4
  L3 w0.254: v1(35.125,13.638) 35.146,13.638 36.255,12.528 40.497,12.528 40.646,12.677 40.646,13.224 v1(40.693,13.271)
  Bottom Layer w0.254: R22B.2@33.007,14.681 34.455,14.681 R13B.1@34.481,14.656 34.747,14.389 34.747,14.016 v1(35.125,13.638) ; IC17B.1@40.216,12.724 40.216,12.995 40.218,12.997 40.544,12.997 40.544,13.055 40.693,13.204 v1(40.693,13.271)
FLTBA: IC17A.6 R8A.1 R9A.2 | length 7.2
  Bottom Layer w0.254: R9A.2@31.915,64.008 32.093,64.186 R8A.1@33.249,64.186 ; R8A.1@33.426,63.957 33.431,63.952 33.431,63.088 33.58,62.94 IC17A.6@38.245,62.94
FLTBB: IC17B.6 R8B.1 R9B.2 | length 7.4
  Bottom Layer w0.166: R9B.2@33.007,16.383 34.455,16.383 R8B.1@34.506,16.332 34.873,15.965 34.873,15.584 35.421,15.036 35.421,14.069 36.54,12.95 37.923,12.95 37.966,12.907 IC17B.6@37.966,12.724
FP_LED_4: IC16.4 IC19.21 R58.2 | length 17.8
  Top w0.166: IC16.4@74.59,58.139 76.172,58.139 76.967,57.344 76.967,51.962 75.43,50.425 75.43,47.084 75.817,46.697 75.86,46.697 76.394,46.163 R58.2@76.394,46.113 ; R58.2@76.444,46.188 76.709,46.453 IC19.21@79.117,46.453
FP_LED_5: IC16.5 IC19.22 R76.2 | length 20.8
  Top w0.166: R76.2@73.419,45.263 73.419,45.313 73.419,48.862 76.674,52.117 76.674,56.861 76.046,57.489 IC16.5@74.59,57.489 ; R76.2@73.869,45.263 76.919,45.263 77.459,45.803 IC19.22@79.117,45.803
FP_LED_6: IC16.6 IC19.23 R77.2 | length 20.5
  Top w0.166: IC16.6@74.59,56.839 75.808,56.839 v2(75.817,56.848) ; v2(75.86,42.57) 75.86,43.379 R77.2@76.069,43.588 R77.2@76.089,43.608 ; R77.2@76.194,43.813 76.244,43.813 76.436,44.005 76.436,44.055 77.534,45.153 IC19.23@79.117,45.153
  Bottom Layer w0.166: v2(75.817,56.848) 75.817,47.669 75.548,47.4 75.548,46.847 75.593,46.802 75.593,46.295 75.954,45.935 75.954,43.818 75.86,43.724 v2(75.86,42.57)
FP_LED_7: IC16.7 IC19.24 R78.2 | length 25.9
  Top w0.166: R78.2@73.744,41.913 73.744,41.963 70.969,44.738 70.969,46.955 76.382,52.368 76.382,55.563 75.888,56.057 74.722,56.057 IC16.7@74.669,56.11 ; R78.2@73.794,42.013 73.841,42.06 76.071,42.06 76.394,42.383 76.394,42.515 76.994,43.115 76.994,43.888 77.609,44.503 IC19.24@79.117,44.503
FP_LED_8: IC16.8 IC19.25 R64.2 | length 29.1
  Top w0.166: IC16.8@74.59,55.539 75.992,55.539 76.089,55.442 76.089,52.873 75.849,52.633 75.849,52.627 75.727,52.504 75.727,52.126 70.676,47.076 70.676,41.98 73.029,39.628 74.881,39.628 75.173,39.921 75.577,39.921 75.944,40.288 R64.2@75.944,40.338 ; R64.2@75.969,40.513 75.969,41.544 76.956,42.532 76.956,42.629 77.287,42.959 77.287,43.196 77.944,43.853 IC19.25@79.117,43.853
FP_LED_9: IC16.9 IC19.26 R65.2 | length 29.4
  Top w0.166: R65.2@73.744,38.688 73.744,38.738 73.377,39.105 73.138,39.105 70.032,42.211 70.032,46.845 71.931,48.744 71.931,54.248 72.571,54.889 IC16.9@74.59,54.889 ; R65.2@73.819,38.813 74.342,39.336 75.065,39.336 75.193,39.463 76.419,39.463 76.794,39.838 76.794,41.956 77.369,42.531 77.369,42.628 77.944,43.203 IC19.26@79.117,43.203